# Altium PCB SmartPower.PcbDoc (part 1 of 2) (continued)
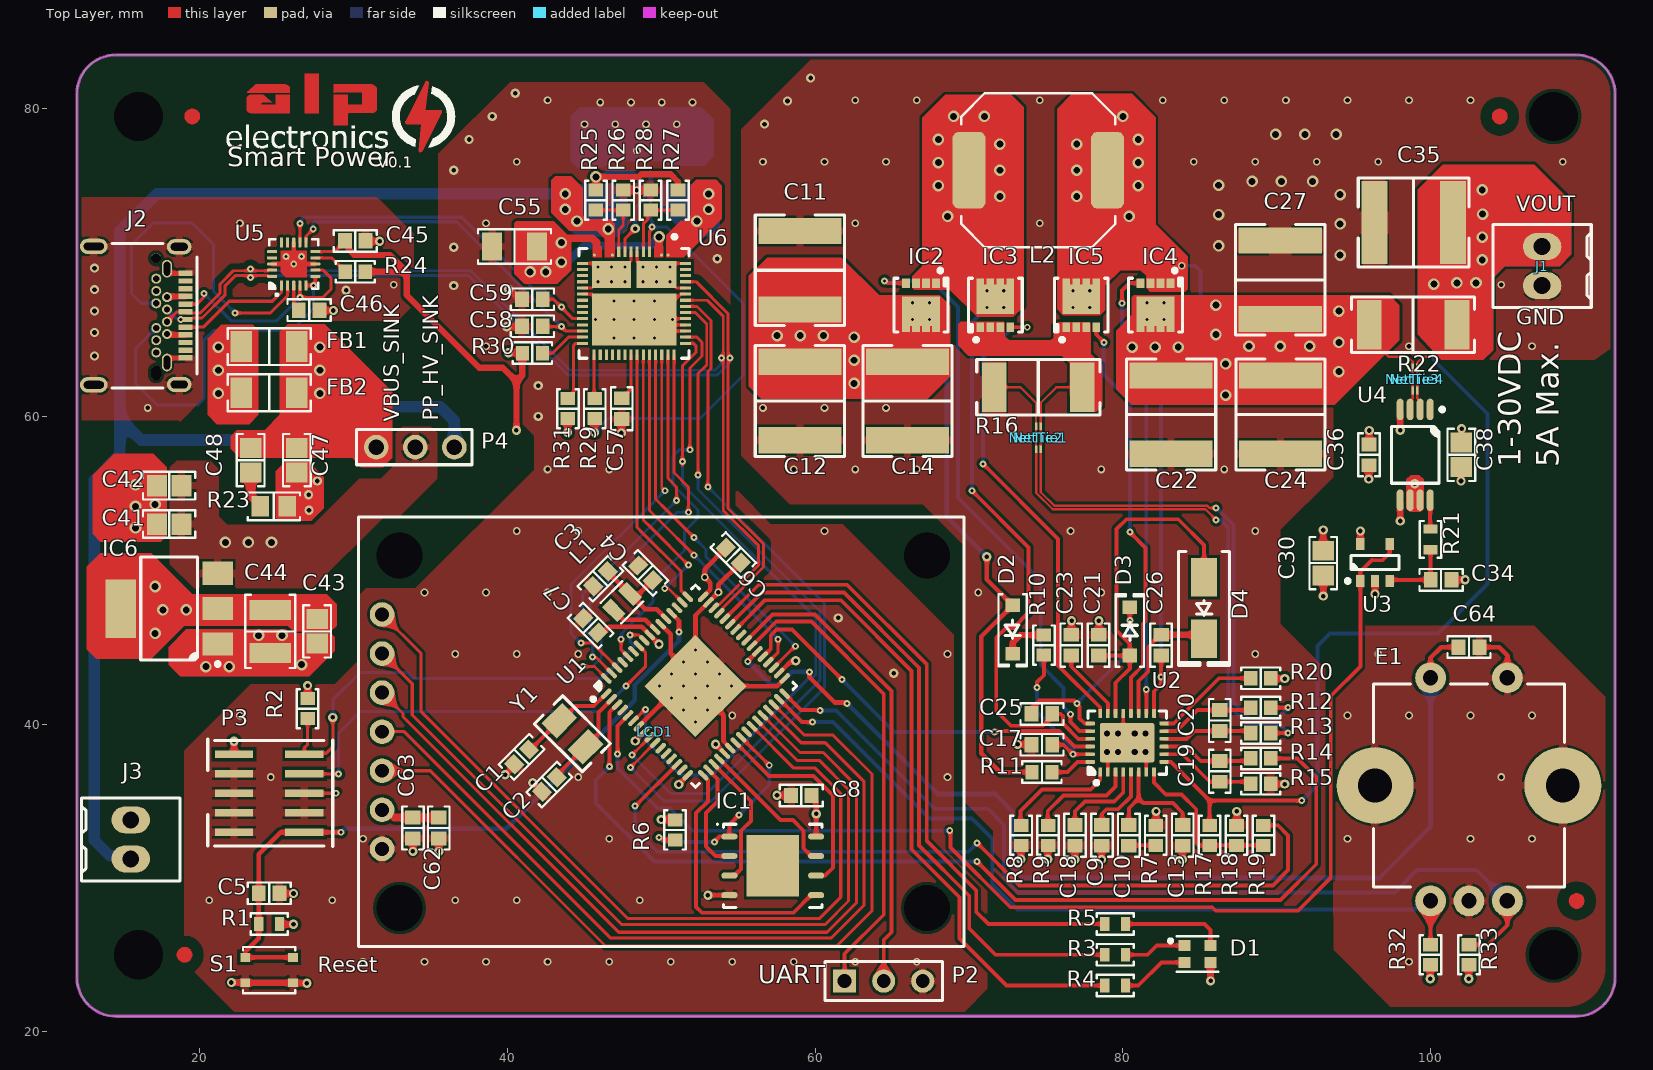
[diagram p0: Top Layer view]
## Part data (continued)
E1: "Alps 20mm, 24PPR+SW Encoder"
FB1 FB2: library part BLM31SN500SZ1L, "FERRITE BEAD 50 OHM 1206 1LN", Current Rating (Max)=12A, DC Resistance (DCR) (Max)=1.6mOhm, Device Package="1206 (3216 Metric)", Manufacturer="Murata Electronics", Operating Temperature="-55°C ~ 125°C", Ratings=AEC-Q200, Supplier Part Number 1=490-13270-1-ND, ComponentLink1Description=Datasheet, ComponentLink1URL=https://www.murata.com/en-us/products/productdata/8796751200286/QNFA9115.pdf, ComponentLink2Description="DigiKey Link", ComponentLink2URL=http://digikey.com/product-detail/en/murata-electronics/BLM31SN500SZ1L/490-13270-1-ND/5881270, Filter Type="Power Line", Height (Max)="0.051\" (1.30mm)", Impedance @ Frequency="50 Ohms @ 100MHz", LastUpdated="21/01/2020 02:29:52", Lifecycle Status=Active, Minimum Order=1, Mounting Type="Surface Mount", Number of Lines=1, Package / Case="1206 (3216 Metric)", Packaging=TapeAndReel, Part Number=BLM31SN500SZ1L, Part Status=Active, PartId=1661, Price=0.12, Series="EMIFIL®, BLM31", Size / Dimension="0.126\" L x 0.063\" W (3.20mm x 1.60mm)", Supplier 1=DigiKey
IC1: library part S25FL116K0XNFI011, "IC FLASH MEM 16MB SPI CMOS 8WSON", Device Package="8-WDFN Exposed Pad", Manufacturer=Spansion, Operating Temperature="-40C ~ 85C", Supplier Part Number 1=1274-1131-ND, Voltage - Supply="2.7 V ~ 3.6 V", ComponentLink1Description=Datasheet, ComponentLink1URL=http://www.spansion.com/Support/Datasheets/S25FL1-K_00.pdf, ComponentLink2Description="Digi-Key Listing", ComponentLink2URL=http://www.digikey.com/product-detail/en/S25FL116K0XNFI011/1274-1131-ND/4517162, Interface="SPI Serial", Memory Size="16M (2M x 8)", Memory Type="FLASH - NOR", Part Number=S25FL116K0XNFI011, PartId=8258, Price=0,49, Speed=108MHz, Supplier 1=Digi-Key, Type="FLASH - NOR"
IC2 IC3 IC4 IC5: library part CSD17308Q3T, "MOSFET N-CH 30V 50A", Current Continuous Drain="50A (Ta), 44A (Tc)", Device Package=8-PowerTDFN, Drain to Source Voltage (Vdss)=30V, Input Capacitance (Ciss) at Vds="700pF @ 15V", Manufacturer="Texas Instruments", Power - Max=2.7W, Supplier Part Number 1=296-44075-2-ND, ComponentLink1Description=Datasheet, ComponentLink1URL=http://www.ti.com/lit/ds/symlink/csd17308q3.pdf, ComponentLink2Description="Digi-Key Listing", ComponentLink2URL=https://www.digikey.com/product-detail/en/texas-instruments/CSD17308Q3T/296-44075-2-ND/5985436, Features=Standard, Gate Charge (Qg)="5.1nC @ 4.5V", Part Number=CSD17308Q3T, PartId=18050, Price=0.8314, Rds On (Max) at Id, Vgs="10.3 mOhm @ 10A, 8V", Supplier 1=Digi-Key, Type="MOSFET N-Channel, Metal Oxide", Vgs(th) (Max) at Id="1.8V @ 250uA"
IC6: library part NCP1117ST33T3G, "IC REG LDO 3.3V 1A SOT223", Current - Limit (Min)=1A, Device Package="TO-261-4, TO-261AA", Manufacturer="ON Semiconductor", Operating Temperature="0C ~ 125C", Supplier Part Number 1=NCP1117ST33T3GOSTR-ND, Voltage - Input="Up to 20V", Voltage - Output=3.3V, Voltage Dropout="1.07V @ 800mA", ComponentLink1Description=Datasheet, ComponentLink1URL=http://www.onsemi.com/pub_link/Collateral/NCP1117-D.PDF, ComponentLink2Description="Digi-Key Listing", ComponentLink2URL=http://www.digikey.ca/product-detail/en/NCP1117ST33T3G/NCP1117ST33T3GOSTR-ND/1749063, Part Number=NCP1117ST33T3G, PartId=7932, Price=0.2342, Supplier 1=Digi-Key, Topology="Positive Fixed"
J1 J3: "TERM BLK 2P SIDE ENT 2.54MM PCB", Color=Green, Current=10A, Manufacturer="TE Connectivity AMP Connectors", Supplier Part Number 1=A98333-ND, Voltage=150V, ComponentLink1Description=Datasheet, ComponentLink1URL=https://www.te.com/commerce/DocumentDelivery/DDEController?Action=srchrtrv&DocNm=282834&DocType=Customer+Drawing&DocLang=English, ComponentLink2Description="DigiKey Link", ComponentLink2URL=http://digikey.com/product-detail/en/te-connectivity-amp-connectors/282834-2/A98333-ND/1150135, LastUpdated="15/01/2020 04:15:38", Lifecycle Status=Active, Mating Orientation="Horizontal with Board", Minimum Order=1, Mounting Type="Through Hole", Number of Levels=1, Packaging=Bulk, Part Number=282834-2, Part Status=Active, Pitch="0.100\" (2.54mm)", Positions Per Level=2, Price=0.88, Series=Buchanan, Supplier 1=DigiKey, Wire Gauge="16-30 AWG", Wire Termination="Screw - Rising Cage Clamp"
J2: "USB 3.1 TYPE C MID MOUNT HYBRID", Manufacturer="Jing Extension", ComponentLink1Description=Datasheet, ComponentLink1URL=https://datasheet.lcsc.com/szlcsc/1811131841_Jing-Extension-of-the-Electronic-Co-C168698_C168698.pdf,, ComponentLink2Description=Alternative, ComponentLink2URL=https://gct.co/connector/usb4055, Number of Positions=24, Part Number=C168698, PartId=9702, Series="USB 3.1, Superspeed+", Supplier 1=LCSC, Supplier Part Number 1=C168698, Type="USB - C"
L1: "Magnetic-Core Inductor", LatestRevisionDate=17-Jul-2002, LatestRevisionNote="Re-released for DXP Platform.", PackageDescription="Axial Device, Thru-Hole; 2 Leads; 0.9 in Pin Spacing", PackageReference=AXIAL-0.9, Published=24-Mar-1999, Publisher="Altium Limited"
L2: library part "Inductor Iron", "Magnetic-Core Inductor", DCR=13.5mOhm, LatestRevisionDate=17-Jul-2002, LatestRevisionNote="Re-released for DXP Platform.", PackageDescription="Axial Device, Thru-Hole; 2 Leads; 0.9 in Pin Spacing", PackageReference=AXIAL-0.9, Published=24-Mar-1999, Publisher="Altium Limited"
LCD1: "LCD TFT IPS 1.3\" 240x240", Part Number="ST7789-240x240 Module", PartId=7912
P2 P4: "Header, 3-Pin", LatestRevisionDate=17-Jul-2002, LatestRevisionNote="Re-released for DXP Platform.", Publisher="Altium Limited"
P3: library part "Header 5X2", "Header, 5-Pin, Dual row", LatestRevisionDate=17-Jul-2002, LatestRevisionNote="Re-released for DXP Platform.", Publisher="Altium Limited"
R1: library part ERJ-3GEYJ103V, "RES SMD 10K OHM 5% 1/10W 0603", Device Package="0603 (1608 Metric)", Manufacturer="Panasonic Electronic Components", PowerRating="0.1W, 1/10W", Supplier Part Number 1=P10KGTR-ND, TemperatureCoefficient=200ppm/C, TemperatureRange="-55C ~ 155C", Tolerance=5%, ComponentLink1Description=Datasheet, ComponentLink1URL=http://industrial.panasonic.com/www-cgi/jvcr13pz.cgi?E+PZ+3+AOA0001+ERJ3GEYJ103V+7+WW, ComponentLink2Description="Digi-Key Listing", ComponentLink2URL=https://www.digikey.com/product-detail/en/panasonic-electronic-components/ERJ-3GEYJ103V/P10KGTR-ND/135662, Part Number=ERJ-3GEYJ103V, PartId=11175, Price=0.002, Supplier 1=Digi-Key
R2 R6 R20 R24 R27 R32 R33: library part CRCW060310K0JNEA, "RES SMD 10K OHM 5% 1/10W 0603", Device Package="0603 (1608 Metric)", Manufacturer="Vishay Dale", Operating Temperature="-55°C ~ 155°C", Power (Watts)="0.1W, 1/10W", Ratings=AEC-Q200, Supplier Device Package=0603, Supplier Part Number 1=541-10KGCT-ND, Temperature Coefficient=±200ppm/°C, Tolerance=±5%, ComponentLink1Description=Datasheet, ComponentLink1URL=http://www.vishay.com/docs/20035/dcrcwe3.pdf, ComponentLink2Description="DigiKey Link", ComponentLink2URL=http://digikey.com/product-detail/en/vishay-dale/CRCW060310K0JNEA/541-10KGCT-ND/1179393, Composition="Thick Film", Features="Automotive AEC-Q200", Height - Seated (Max)="0.020\" (0.50mm)", LastUpdated="21/01/2020 00:24:50", Lifecycle Status=Active, Minimum Order=1, Number of Terminations=2, Package / Case="0603 (1608 Metric)", Packaging=CutTape, Part Number=CRCW060310K0JNEA, Part Status=Active, PartId=5216, Price=0.10, Resistance="10 kOhms", Series=CRCW, Size / Dimension="0.063\" L x 0.033\" W (1.60mm x 0.85mm)", Supplier 1=DigiKey
R3: library part ERJ-3GEYJ361V, "RES SMD 360 OHM 5% 1/10W 0603", Device Package="0603 (1608 Metric)", Manufacturer="Panasonic Electronic Components", PowerRating="0.1W, 1/10W", Supplier Part Number 1=P360GTR-ND, TemperatureCoefficient=200ppm/C, TemperatureRange="-55C ~ 155C", Tolerance=5%, ComponentLink1Description=Datasheet, ComponentLink1URL=http://industrial.panasonic.com/www-cgi/jvcr13pz.cgi?E+PZ+3+AOA0001+ERJ3GEYJ361V+7+WW, ComponentLink2Description="Digi-Key Listing", ComponentLink2URL=https://www.digikey.com/product-detail/en/panasonic-electronic-components/ERJ-3GEYJ361V/P360GTR-ND/135761, Part Number=ERJ-3GEYJ361V, PartId=11239, Price=0.002, Supplier 1=Digi-Key
R4 R5: library part ERJ-3GEYJ151V, "RES SMD 150 OHM 5% 1/10W 0603", Device Package="0603 (1608 Metric)", Manufacturer="Panasonic Electronic Components", PowerRating="0.1W, 1/10W", Supplier Part Number 1=P150GTR-ND, TemperatureCoefficient=200ppm/C, TemperatureRange="-55C ~ 155C", Tolerance=5%, ComponentLink1Description=Datasheet, ComponentLink1URL=http://industrial.panasonic.com/www-cgi/jvcr13pz.cgi?E+PZ+3+AOA0001+ERJ3GEYJ151V+7+WW, ComponentLink2Description="Digi-Key Listing", ComponentLink2URL=https://www.digikey.com/product-detail/en/panasonic-electronic-components/ERJ-3GEYJ151V/P150GTR-ND/135689, Part Number=ERJ-3GEYJ151V, PartId=11200, Price=0.002, Supplier 1=Digi-Key
R7: library part ERJ-PB3D1302V, "RES SMD 13K OHM 0.5% 1/5W 0603", Device Package="0603 (1608 Metric)", Manufacturer="Panasonic Electronic Components", Operating Temperature="-55°C ~ 155°C", Power (Watts)="0.2W, 1/5W", Ratings=AEC-Q200, Supplier Device Package=0603, Supplier Part Number 1=P20409CT-ND, Temperature Coefficient=±50ppm/°C, Tolerance=±0.5%, ComponentLink1Description=Datasheet, ComponentLink1URL=https://industrial.panasonic.com/cdbs/www-data/pdf/RDM0000/AOA0000C328.pdf, ComponentLink2Description="DigiKey Link", ComponentLink2URL=http://digikey.com/product-detail/en/panasonic-electronic-components/ERJ-PB3D1302V/P20409CT-ND/6214664, Composition="Thick Film", Features="Automotive AEC-Q200, Pulse Withstanding", Height - Seated (Max)="0.022\" (0.55mm)", LastUpdated="21/01/2020 00:18:56", Lifecycle Status=Active, Minimum Order=1, Number of Terminations=2, Package / Case="0603 (1608 Metric)", Packaging=TapeAndReel, Part Number=ERJ-PB3D1302V, Part Status=Active, PartId=19636, Price=0.02, Resistance="13 kOhms", Series=ERJ, Size / Dimension="0.063\" L x 0.031\" W (1.60mm x 0.80mm)", Supplier 1=DigiKey
R8: library part ERJ-PB3D9312V, "RES SMD 93.1K OHM 0.5% 1/5W 0603", Device Package="0603 (1608 Metric)", Manufacturer="Panasonic Electronic Components", Operating Temperature="-55°C ~ 155°C", Power (Watts)="0.2W, 1/5W", Ratings=AEC-Q200, Supplier Device Package=0603, Supplier Part Number 1=P20508CT-ND, Temperature Coefficient=±50ppm/°C, Tolerance=±0.5%, ComponentLink1Description=Datasheet, ComponentLink1URL=https://industrial.panasonic.com/cdbs/www-data/pdf/RDM0000/AOA0000C328.pdf, ComponentLink2Description="DigiKey Link", ComponentLink2URL=http://digikey.com/product-detail/en/panasonic-electronic-components/ERJ-PB3D9312V/P20508CT-ND/6214763, Composition="Thick Film", Features="Automotive AEC-Q200, Pulse Withstanding", Height - Seated (Max)="0.022\" (0.55mm)", LastUpdated="21/01/2020 00:24:15", Lifecycle Status=Active, Minimum Order=1, Number of Terminations=2, Package / Case="0603 (1608 Metric)", Packaging=TapeAndReel, Part Number=ERJ-PB3D9312V, Part Status=Active, PartId=6686, Price=0.02, Resistance="93.1 kOhms", Series=ERJ, Size / Dimension="0.063\" L x 0.031\" W (1.60mm x 0.80mm)", Supplier 1=DigiKey
R9: library part RNCF0603DTE23K2, "RES 23.2K OHM 0.5% 1/10W 0603", Device Package="0603 (1608 Metric)", Manufacturer="Stackpole Electronics Inc", Operating Temperature="-55°C ~ 155°C", Power (Watts)="0.1W, 1/10W", Ratings=AEC-Q200, Supplier Device Package=0603, Supplier Part Number 1=RNCF0603DTE23K2CT-ND, Temperature Coefficient=±25ppm/°C, Tolerance=±0.5%, ComponentLink1Description=Datasheet, ComponentLink1URL=https://www.seielect.com/catalog/sei-rncf.pdf, ComponentLink2Description="DigiKey Link", ComponentLink2URL=http://digikey.com/product-detail/en/stackpole-electronics-inc/RNCF0603DTE23K2/RNCF0603DTE23K2CT-ND/9915119, Composition="Thin Film", Features="Automotive AEC-Q200", Height - Seated (Max)="0.022\" (0.55mm)", LastUpdated="21/01/2020 00:24:44", Lifecycle Status=Active, Minimum Order=1, Number of Terminations=2, Package / Case="0603 (1608 Metric)", Packaging=TapeAndReel, Part Number=RNCF0603DTE23K2, Part Status=Active, PartId=5426, Price=0.02, Resistance="23.2 kOhms", Series=RNCF, Size / Dimension="0.061\" L x 0.031\" W (1.55mm x 0.80mm)", Supplier 1=DigiKey
R10: library part RT0603BRD0710RL, "RES SMD 10 OHM 0.1% 1/10W 0603", Device Package="0603 (1608 Metric)", Manufacturer=Yageo, Operating Temperature="-55°C ~ 155°C", Power (Watts)="0.1W, 1/10W", Supplier Device Package=0603, Supplier Part Number 1=YAG3350CT-ND, Temperature Coefficient=±25ppm/°C, Tolerance=±0.1%, ComponentLink1Description=Datasheet, ComponentLink1URL=https://www.yageo.com/upload/media/product/productsearch/datasheet/rchip/PYu-RT_1-to-0.01_RoHS_L_11.pdf, ComponentLink2Description="DigiKey Link", ComponentLink2URL=http://digikey.com/product-detail/en/yageo/RT0603BRD0710RL/YAG3350CT-ND/5418055, Composition="Thin Film", Height - Seated (Max)="0.022\" (0.55mm)", LastUpdated="21/01/2020 00:22:54", Lifecycle Status=Active, Minimum Order=1, Number of Terminations=2, Package / Case="0603 (1608 Metric)", Packaging=TapeAndReel, Part Number=RT0603BRD0710RL, Part Status=Active, PartId=10161, Price=0.05, Resistance="10 Ohms", Series=RT, Size / Dimension="0.063\" L x 0.031\" W (1.60mm x 0.80mm)", Supplier 1=DigiKey
R11: library part CR0603-JW-202ELF, "RES SMD 2K OHM 5% 1/10W 0603", Device Package="0603 (1608 Metric)", Manufacturer="Bourns Inc.", Operating Temperature="-55°C ~ 155°C", Power (Watts)="0.1W, 1/10W", Supplier Device Package=0603, Supplier Part Number 1=CR0603-JW-202ELFCT-ND, Temperature Coefficient=±200ppm/°C, Tolerance=±5%, ComponentLink1Description=Datasheet, ComponentLink1URL=https://www.bourns.com/docs/Product-Datasheets/CHPREZTR.pdf, ComponentLink2Description="DigiKey Link", ComponentLink2URL=http://digikey.com/product-detail/en/bourns-inc/CR0603-JW-202ELF/CR0603-JW-202ELFCT-ND/3925347, Composition="Thick Film", Features="Moisture Resistant", Height - Seated (Max)="0.022\" (0.55mm)", LastUpdated="21/01/2020 00:24:32", Lifecycle Status=Active, Minimum Order=1, Number of Terminations=2, Package / Case="0603 (1608 Metric)", Packaging=CutTape, Part Number=CR0603-JW-202ELF, Part Status=Active, PartId=5980, Price=0.10, Resistance="2 kOhms", Series=CR0603, Size / Dimension="0.063\" L x 0.031\" W (1.60mm x 0.80mm)", Supplier 1=DigiKey
R12 R13 R14 R15: library part RNCS0603BKE100R, "RES 100 OHM 0.1% 1/16W 0603", Device Package="0603 (1608 Metric)", Manufacturer="Stackpole Electronics Inc", Operating Temperature="-55°C ~ 155°C", Power (Watts)="0.063W, 1/16W", Ratings=AEC-Q200, Supplier Device Package=0603, Supplier Part Number 1=RNCS0603BKE100RCT-ND, Temperature Coefficient=±25ppm/°C, Tolerance=±0.1%, ComponentLink1Description=Datasheet, ComponentLink1URL=https://www.seielect.com/catalog/sei-rncs_rnch.pdf, ComponentLink2Description="DigiKey Link", ComponentLink2URL=http://digikey.com/product-detail/en/stackpole-electronics-inc/RNCS0603BKE100R/RNCS0603BKE100RCT-ND/1800117, Composition="Thin Film", Features="Anti-Corrosive, Automotive AEC-Q200, Moisture Resistant", Height - Seated (Max)="0.022\" (0.55mm)", LastUpdated="21/01/2020 00:25:01", Lifecycle Status=Active, Minimum Order=1, Number of Terminations=2, Package / Case="0603 (1608 Metric)", Packaging=TapeAndReel, Part Number=RNCS0603BKE100R, Part Status=Active, PartId=4839, Price=0.08, Resistance="100 Ohms", Series=RNCS, Size / Dimension="0.061\" L x 0.031\" W (1.55mm x 0.80mm)", Supplier 1=DigiKey
R16 R22: library part CSR2512FK10L0, "RES SMD 0.01 OHM 1% 2W 2512", Device Package="2512 (6432 Metric)", Manufacturer="Stackpole Electronics Inc.", PowerRating=2W, Supplier Part Number 1=CSR2512FK10L0-ND, TemperatureCoefficient=200ppm/C, TemperatureRange="-55C ~ 155C", Tolerance=1%, ComponentLink1Description=Datasheet, ComponentLink1URL=http://www.seielect.com/catalog/SEI-CSR_CSRN.pdf, ComponentLink2Description="Digi-Key Listing", ComponentLink2URL=https://www.digikey.com/product-detail/en/stackpole-electronics-inc/CSR2512FK10L0/CSR2512FK10L0-ND/1742503, Part Number=CSR2512FK10L0, PartId=10090, Price=0.22, Supplier 1=Digi-Key
R17: library part RG1608N-164-W-T1, "RES SMD 160KOHM 0.05% 1/10W 0603", Device Package="0603 (1608 Metric)", Manufacturer=Susumu, Operating Temperature="-55°C ~ 155°C", Power (Watts)="0.1W, 1/10W", Ratings=AEC-Q200, Supplier Device Package=0603, Supplier Part Number 1=408-1681-1-ND, Temperature Coefficient=±10ppm/°C, Tolerance=±0.05%, ComponentLink1Description=Datasheet, ComponentLink1URL=//media.digikey.com/pdf/Data%20Sheets/Susumu%20PDFs/RG_RM_RGH_Oct2012.pdf, ComponentLink2Description="DigiKey Link", ComponentLink2URL=http://digikey.com/product-detail/en/susumu/RG1608N-164-W-T1/408-1681-1-ND/600838, Composition="Thin Film", Features="Anti-Sulfur, Automotive AEC-Q200", Height - Seated (Max)="0.020\" (0.50mm)", LastUpdated="21/01/2020 00:21:03", Lifecycle Status=Active, Minimum Order=1, Number of Terminations=2, Package / Case="0603 (1608 Metric)", Packaging=TapeAndReel, Part Number=RG1608N-164-W-T1, Part Status=Active, PartId=14646, Price=0.30, Resistance="160 kOhms", Series=RG, Size / Dimension="0.063\" L x 0.031\" W (1.60mm x 0.80mm)", Supplier 1=DigiKey
R18: library part ERJ-PB3B4221V, "RES SMD 4.22K OHM 0.1% 1/5W 0603", Device Package="0603 (1608 Metric)", Manufacturer="Panasonic Electronic Components", Operating Temperature="-55°C ~ 155°C", Power (Watts)="0.2W, 1/5W", Ratings=AEC-Q200, Supplier Device Package=0603, Supplier Part Number 1=P20042CT-ND, Temperature Coefficient=±50ppm/°C, Tolerance=±0.1%, ComponentLink1Description=Datasheet, ComponentLink1URL=https://industrial.panasonic.com/cdbs/www-data/pdf/RDM0000/AOA0000C328.pdf, ComponentLink2Description="DigiKey Link", ComponentLink2URL=http://digikey.com/product-detail/en/panasonic-electronic-components/ERJ-PB3B4221V/P20042CT-ND/6214297, Composition="Thick Film", Features="Automotive AEC-Q200, Pulse Withstanding", Height - Seated (Max)="0.022\" (0.55mm)", LastUpdated="21/01/2020 00:23:17", Lifecycle Status=Active, Minimum Order=1, Number of Terminations=2, Package / Case="0603 (1608 Metric)", Packaging=TapeAndReel, Part Number=ERJ-PB3B4221V, Part Status=Active, PartId=9111, Price=0.03, Resistance="4.22 kOhms", Series=ERJ, Size / Dimension="0.063\" L x 0.031\" W (1.60mm x 0.80mm)", Supplier 1=DigiKey
R19: library part ERA-3AEB1652V, "RES SMD 16.5KOHM 0.1% 1/10W 0603", Device Package="0603 (1608 Metric)", Manufacturer="Panasonic Electronic Components", Operating Temperature="-55°C ~ 155°C", Power (Watts)="0.1W, 1/10W", Ratings=AEC-Q200, Supplier Device Package=0603, Supplier Part Number 1=P16.5KDBCT-ND, Temperature Coefficient=±25ppm/°C, Tolerance=±0.1%, ComponentLink1Description=Datasheet, ComponentLink1URL=https://industrial.panasonic.com/cdbs/www-data/pdf/RDM0000/AOA0000C307.pdf, ComponentLink2Description="DigiKey Link", ComponentLink2URL=http://digikey.com/product-detail/en/panasonic-electronic-components/ERA-3AEB1652V/P16.5KDBCT-ND/3075821, Composition="Thin Film", Features="Automotive AEC-Q200", Height - Seated (Max)="0.022\" (0.55mm)", LastUpdated="21/01/2020 00:15:50", Lifecycle Status=Active, Minimum Order=1, Number of Terminations=2, Package / Case="0603 (1608 Metric)", Packaging=TapeAndReel, Part Number=ERA-3AEB1652V, Part Status=Active, PartId=24776, Price=0.04, Resistance="16.5 kOhms", Series=ERA-3A, Size / Dimension="0.063\" L x 0.031\" W (1.60mm x 0.80mm)", Supplier 1=DigiKey
R21: library part ERJ-3EKF51R0V, "RES SMD 51 OHM 1% 1/10W 0603", Device Package="0603 (1608 Metric)", Manufacturer="Panasonic Electronic Components", PowerRating="0.1W, 1/10W", Supplier Part Number 1=P51.0HTR-ND, TemperatureCoefficient=100ppm/C, TemperatureRange="-55C ~ 155C", Tolerance=1%, ComponentLink1Description=Datasheet, ComponentLink1URL=http://industrial.panasonic.com/www-cgi/jvcr13pz.cgi?E+PZ+3+AOA0002+ERJ3EKF51R0V+7+WW, ComponentLink2Description="Digi-Key listing", ComponentLink2URL=http://digikey.com/product-detail/en/ERJ-3EKF51R0V/P51.0HTR-ND/1746433, Part Number=ERJ-3EKF51R0V, PartId=1355, Price=0,0038, Supplier 1=Digi-Key, Type="Thick Film"
R23: library part RC0805FR-073R48L, "RES SMD 3.48 OHM 1% 1/8W 0805", Device Package="0805 (2012 Metric)", Manufacturer=Yageo, Operating Temperature="-55°C ~ 155°C", Power (Watts)="0.125W, 1/8W", Supplier Device Package=0805, Supplier Part Number 1=311-3.48CRCT-ND, Temperature Coefficient=±200ppm/°C, Tolerance=±1%, ComponentLink1Description=Datasheet, ComponentLink1URL=https://www.yageo.com/upload/media/product/productsearch/datasheet/rchip/PYu-RC_Group_51_RoHS_L_10.pdf, ComponentLink2Description="DigiKey Link", ComponentLink2URL=http://digikey.com/product-detail/en/yageo/RC0805FR-073R48L/311-3.48CRCT-ND/730768, Composition="Thick Film", Features="Moisture Resistant", Height - Seated (Max)="0.024\" (0.60mm)", LastUpdated="21/01/2020 01:49:21", Lifecycle Status=Active, Minimum Order=1, Number of Terminations=2, Package / Case="0805 (2012 Metric)", Packaging=TapeAndReel, Part Number=RC0805FR-073R48L, Part Status=Active, PartId=29394, Price=0.01, Resistance="3.48 Ohms", Series=RC, Size / Dimension="0.079\" L x 0.049\" W (2.00mm x 1.25mm)", Supplier 1=DigiKey
R25: library part RC0603FR-07191KL, "RES SMD 191K OHM 1% 1/10W 0603", Device Package="0603 (1608 Metric)", Manufacturer=Yageo, Operating Temperature="-55°C ~ 155°C", Power (Watts)="0.1W, 1/10W", Supplier Device Package=0603, Supplier Part Number 1=311-191KHRCT-ND, Temperature Coefficient=±100ppm/°C, Tolerance=±1%, ComponentLink1Description=Datasheet, ComponentLink1URL=https://www.yageo.com/upload/media/product/productsearch/datasheet/rchip/PYu-RC_Group_51_RoHS_L_10.pdf, ComponentLink2Description="DigiKey Link", ComponentLink2URL=http://digikey.com/product-detail/en/yageo/RC0603FR-07191KL/311-191KHRCT-ND/729952, Composition="Thick Film", Features="Moisture Resistant", Height - Seated (Max)="0.022\" (0.55mm)", LastUpdated="21/01/2020 00:23:46", Lifecycle Status=Active, Minimum Order=1, Number of Terminations=2, Package / Case="0603 (1608 Metric)", Packaging=CutTape, Part Number=RC0603FR-07191KL, Part Status=Active, PartId=7764, Price=0.10, Resistance="191 kOhms", Series=RC, Size / Dimension="0.063\" L x 0.031\" W (1.60mm x 0.80mm)", Supplier 1=DigiKey
R26 R28: library part CRGH0603J100K, "RES SMD 100K OHM 5% 1/5W 0603", Device Package="0603 (1608 Metric)", Manufacturer="TE Connectivity Passive Product", Operating Temperature="-55°C ~ 155°C", Power (Watts)="0.2W, 1/5W", Supplier Device Package=0603, Supplier Part Number 1=A126393CT-ND, Temperature Coefficient=±100ppm/°C, Tolerance=±5%, ComponentLink1Description=Datasheet, ComponentLink1URL=https://www.te.com/commerce/DocumentDelivery/DDEController?Action=srchrtrv&DocNm=1773204-1&DocType=DS&DocLang=English, ComponentLink2Description="DigiKey Link", ComponentLink2URL=http://digikey.com/product-detail/en/te-connectivity-passive-product/CRGH0603J100K/A126393CT-ND/7603448, Composition="Thick Film", LastUpdated="21/01/2020 00:15:56", Lifecycle Status=Active, Minimum Order=1, Number of Terminations=2, Package / Case="0603 (1608 Metric)", Packaging=TapeAndReel, Part Number=CRGH0603J100K, Part Status=Active, PartId=24648, Price=0.01, Resistance="100 kOhms", Series="CRGH, Neohm", Size / Dimension="0.063\" L x 0.031\" W (1.60mm x 0.80mm)", Supplier 1=DigiKey
R29 R30 R31: library part RC0603FR-073K83L, "RES SMD 3.83K OHM 1% 1/10W 0603", Device Package="0603 (1608 Metric)", Manufacturer=Yageo, Operating Temperature="-55°C ~ 155°C", Power (Watts)="0.1W, 1/10W", Supplier Device Package=0603, Supplier Part Number 1=311-3.83KHRCT-ND, Temperature Coefficient=±100ppm/°C, Tolerance=±1%, ComponentLink1Description=Datasheet, ComponentLink1URL=https://www.yageo.com/upload/media/product/productsearch/datasheet/rchip/PYu-RC_Group_51_RoHS_L_10.pdf, ComponentLink2Description="DigiKey Link", ComponentLink2URL=http://digikey.com/product-detail/en/yageo/RC0603FR-073K83L/311-3.83KHRCT-ND/730082, Composition="Thick Film", Features="Moisture Resistant", Height - Seated (Max)="0.022\" (0.55mm)", LastUpdated="21/01/2020 00:21:56", Lifecycle Status=Active, Minimum Order=1, Number of Terminations=2, Package / Case="0603 (1608 Metric)", Packaging=CutTape, Part Number=RC0603FR-073K83L, Part Status=Active, PartId=12460, Price=0.10, Resistance="3.83 kOhms", Series=RC, Size / Dimension="0.063\" L x 0.031\" W (1.60mm x 0.80mm)", Supplier 1=DigiKey
S1: "SWITCH TACTILE SPST-NO 0.05A 16V", Manufacturer=ALPS, Supplier Part Number 1=688-SKSGACE010, ComponentLink1Description=Datasheet, ComponentLink1URL=https://www.mouser.se/datasheet/2/15/SKSG-1370727.pdf, ComponentLink2Description="Mouser Listing", ComponentLink2URL=https://www.mouser.se/ProductDetail/ALPS/SKSGACE010?qs=Ptl%2FSkKmb3BEFq%252BG855%2Fog==, Part Number=SKSGACE010, PartId=16471, Supplier 1=Mouser
U1: "IC MCU 32BIT 1MB FLASH 64VQFN", Device Package="64-VFQFN Exposed Pad", Manufacturer="Microchip Technology", Supplier Part Number 1=ATSAMD51J20A-MU-ND, ComponentLink1Description=Datasheet, ComponentLink1URL=http://ww1.microchip.com/downloads/en/DeviceDoc/60001507E.pdf, ComponentLink2Description="Digi-Key Listing", ComponentLink2URL=https://www.digikey.com/product-detail/en/microchip-technology/ATSAMD51J20A-MU/ATSAMD51J20A-MU-ND/7390352, Core Processor="ARM Cortex-M4", Part Number=ATSAMD51J20A-MU, PartId=10980, Supplier 1=Digi-Key
U2: "55-V Wide VIN synchronous 4-switch buck-boost controller"
U3: library part 9691, "RAIL-TO-RAIL OPAMP SOT-23-5", Part Number=TSV911ILT, ComponentLink1Description="Manufacturer Link", ComponentLink1URL=http://www.ti.com/, ComponentLink2Description=Datasheet, ComponentLink2URL=http://www-s.ti.com/sc/ds/lm224.pdf, DatasheetVersion=Jan-1989, LatestRevisionDate=04-Mar-2005, LatestRevisionNote="Stylized 3D Model Added.", PackageDescription="DIP; 14 Leads; Row Spacing 7.62 mm; Pitch 2.54 mm", PackageReference=J014, PackageVersion=Jun-1999, PartId=9691, Published=15-Apr-2002, Publisher="Altium Limited"
U4: library part 9694, "IC AMP CURRENT SENSE 8-TSSOP", Part Number=INA240A, PartId=9694
U6: library part CMP-04910-000002-1, "ACELITE 88 ROM 1.6 PROTO 7X7", Ambient Temperature Range High=+75°C, Ambient Temperature Range Low=-10°C, Manufacturer="Texas Instruments", Max Junction Temp=+125°C, Max Supply Voltage=3.45V, Min Supply Voltage=3.135V, Nominal Supply Current=5-8mA, Output Voltage=3.3V, Package=RSH0056E, Temperature="-10°C to +75°C", Automotive=No, Category=IC, ComponentLink2Description=Datasheet, ComponentLink2URL=http://www.ti.com/lit/ds/symlink/tps65987d.pdf, Device Class L1="Integrated Circuits (ICs)", Device Class L2="Power Management ICs", Device Class L3=unset, Digikey Description="ACELITE 88 ROM 1.6 PROTO 7X7", Height=1mm, Lead Free=Yes, Manufacturer Part Number=TPS65987DDHRSHR, Number Of Outputs=1, Octopart=https://octopart.com/tps65987ddhrshr-texas+instruments-92191376, RoHS=TRUE, Standoff Height=0mm, Temperature Range High=+75°C, Temperature Range Low=-10°C
Y1: library part ABS07-32.768KHZ-T, "CRYSTAL 32.7680KHZ 12.5PF SMD", Device Package=2-SMD, Frequency Stability=-, Frequency Tolerance=20ppm, Load Capacitance=12.5pF, Manufacturer="Abracon LLC", Operating Mode=Fundamental, Supplier Part Number 1=535-9542-2-ND, ComponentLink1Description=Datasheet, ComponentLink1URL=http://www.abracon.com/Resonators/ABS07.pdf, ComponentLink2Description="Digi-Key Listing", ComponentLink2URL=http://www.digikey.com/product-detail/en/ABS07-32.768KHZ-T/535-9542-2-ND/1236858, ESR="70 kOhm", Frequency=32.768kHz, Part Number=ABS07-32.768KHZ-T, PartId=8487, Price=0,3, Supplier 1=Digi-Key, Type="kHz Crystal (Tuning Fork)"

## Free pads (board coordinates)
  round 0 hole 3.2 unplated: TP3(16,25) TP3(16,79.5) TP3(108,25) TP3(108,79.5)

## Via types
v1: diameter 0.5, hole 0.3, Top Layer to Bottom Layer, tented both sides, 99 vias
v2: diameter 0.75, hole 0.45, Top Layer to Bottom Layer, tented both sides, 90 vias
v3: diameter 0.6, hole 0.3, Top Layer to Bottom Layer, tented both sides, 81 vias
v4: diameter 0.45, hole 0.2, Top Layer to Bottom Layer, tented both sides, 79 vias
v5: diameter 0.5, hole 0.2, Top Layer to Bottom Layer, tented both sides, 55 vias

## Nets (pads, with @x,y where several pads share a name; then routed paths per layer and width w, separated by ;. In a path a pad name is that pad's centre, name@x,y a point inside that pad or via, vN(x,y) a via of type N, cw(c..) or ccw(c..) an arc to the next point about the centre after c; other vN are vias at no path point)
5V_PB_SINK: U1.62 U6.40 | length 24.6
  Top Layer w0.19: v4(44.766,45.257) 45.534,45.257 U1.62@47.123,43.668 ; U6.40@50.024,64.001 50.024,55.366 v4(50.227,55.163)
  Bottom Layer w0.19: v4(44.766,45.257) 44.131,45.892 44.131,49.067 v4(50.227,55.163)
9V_PB_SINK: U1.63 U6.41 | length 24.4
  Top Layer w0.19: v4(45.528,44.368) 45.578,44.318 45.766,44.318 U1.63@46.769,43.315 ; U6.41@50.424,64.001 50.424,55.982 50.989,55.417 v4(50.989,54.528)
  Bottom Layer w0.19: v4(45.528,44.368) 45.528,45.613 44.868,46.273 44.868,48.407 45.528,49.067 v4(50.989,54.528)
15V_PB_SINK: U1.64 U6.42 | length 26.7
  Top Layer w0.19: v4(44.893,43.733) 45.644,43.733 U1.64@46.416,42.961 ; U6.42@50.824,64.001 50.824,56.344 51.751,55.417 v4(51.751,53.766)
  Bottom Layer w0.19: v4(44.893,43.733) 45.528,43.733 46.087,44.292 46.087,45.587 45.35,46.324 45.35,48.102 51.014,53.766 v4(51.751,53.766)
20V_PB_SINK: U1.6 U6.43 | length 44.1
  Top Layer w0.19: U1.6@48.183,40.203 48.919,40.939 v4(48.957,40.939) ; 51.37,56.814 v4(51.37,57.068) 51.37,63.291 52.259,64.18 52.259,64.561 52.069,64.751 U6.43@51.574,64.751
  Bottom Layer w0.19: v4(48.957,40.939) 48.957,38.932 51.192,36.697 53.3,36.697 59.585,42.981 59.794,42.981 60.034,43.221 60.034,46.906 51.37,55.569 v4(51.37,57.068)
+3V3: C6.1 C7.2 C8.1 C30.2 C31.2 C36.2 C38.2 C43.2 C44.2 C45.2 C62.1 C63.2 D1.3 IC1.8 IC6.2 IC6.4 LCD1.2 P3.1 R1.2 R2.2 R6.2 R20.1 R24.1 R29.1 R30.1 R31.1 R32.2 R33.2 U1.8 U1.16 U1.21 U1.34 U1.48 U1.56 U3.5 U4.5 U5.10 U6.5 | length 87.7
  Top Layer w0.2: U5.10@27.497,70.706 28.722,70.706 29.022,71.006 29.072,71.006 29.422,71.356 C45.2@29.422,71.406 ; U6.5@49.224,70.701 49.224,72.024 49.352,72.152 49.352,72.252 v4(49.4,72.3)
  Top Layer w0.3: C7.2@45.878,45.923 46.171,45.923 46.572,46.324 48.71,46.324 U1.56@49.244,45.789 v3(49.842,45.191) ; v3(48.292,38.898) U1.8@48.891,39.496 ; v3(51.121,36.069) U1.16@51.719,36.668 ; U1.48@52.709,48.264 53.173,48.729 53.173,49.194 v1(52.818,49.55) 52.818,50.072 C6.1@54.195,51.449 ; v3(53.525,38.68) U1.21@54.123,38.082 ; U1.34@57.659,43.315 58.458,44.114 v3(58.736,44.114) ; C8.1@59.767,35.351 60.06,35.058 v3(60.06,34.154) IC1.8@60.06,32.687
  Top Layer w0.4: P3.1@22.214,38.253 v3(22.214,38.887) ; R1.2@25.358,26.979 v3(26.08,26.979) ; R2.2@27,41.863 v3(27,42.497) ; C45.2@29.422,71.406 29.672,71.156 29.672,70.863 30.034,70.501 32.349,70.501 33.444,69.406 ; R24.1@30.669,69.125 R24.1@30.93,69.386 ; R24.1@30.747,69.406 33.444,69.406 ; v3(40.058,64.134) 40.78,64.134 40.956,63.958 40.956,62.656 40.575,62.275 ; v3(40.575,59.1) 40.575,62.275 ; v3(43.898,58.945) R31.1@43.898,59.667 ; v3(45.648,58.945) R29.1@45.648,59.667 ; v3(49.982,33.786) R6.2@50.705,33.786 ; v3(85.7,23.3) D1.3@85.7,24.5 ; R20.1@89.795,42.95 v3(90.517,42.95) ; C30.2@93.021,51.472 v3(93.021,52.614) ; U3.5@95.434,51.908 95.439,51.913 v3(95.439,52.547) ; v3(95.979,55.92) C36.2@95.979,56.642 ; v3(98.03,53.2) U4.5@98.03,54.342 ; v3(99.979,23.445) R32.2@99.979,24.167 ; C38.2@102.021,58.483 v3(102.021,59.205) ; v3(102.479,23.445) R33.2@102.479,24.167 ; 33.444,69.406 33.444,67.882 38.162,63.164 39.686,63.164 40.575,62.275
  Top Layer w0.5: LCD1.2@31.839,34.42 32.137,34.42 32.639,33.918 C63.2@33.844,33.918 C62.1@35.52,33.918
  Bottom Layer w0.2: v3(45.648,58.945) 45.648,58.966 46.544,59.862 52.513,59.862 55.307,62.656 55.307,67.355 50.362,72.3 v4(49.4,72.3) 49.4,72.7 49.298,72.802 C31.2@49.298,75.919
  other v2: 17.08,45.892 17.588,47.416 19.112,47.416 17.08,48.94
A2: U1.11
A3: U1.12
A4: U1.13
A5: U1.15
AREF: U1.4
BIAS: C23.2 U2.21 | length 4.8
  Top Layer w0.25: C23.2@76.643,44.455 76.643,43.733 79.026,41.35 U2.21@79.026,40.685
BUCK_BOOST-OUT: C22.2 C24.2 C27.2 IC4.5 IC4.6 IC4.7 IC4.8 NetTie3.2 R22.1 | length 4.7
  Top Layer w0.15: 97.307,63.869 98.518,63.869 98.843,63.545 NetTie3.2@98.843,63.177
  Top Layer w0.156: R22.1@96.018,65.958 96.018,65.158 97.307,63.869
  other v2: 86.676,61.386 94.042,62.91 86.676,63.418 80.6,64.5 82.1,64.5 83.6,64.5 88.2,64.561 90.232,64.561 92.137,64.561 94.042,64.815 86.041,65.323 94.042,66.847 86.041,67.228
  other v5: 81.57,66.288 82.67,66.288 81.57,67.388 82.67,67.388
C_CC1: J2.A5 U5.4 U5.7 | length 14.2
  Top Layer w0.2: J2.A5@19.05,67.3 19.819,67.3 20.255,67.736 v4(20.255,67.99) ; U5.4@26.497,68.506 26.497,67.75 v4(26.511,67.736) 28.002,67.736 28.51,68.244 28.51,69.006 28.01,69.506 U5.7@27.497,69.506
  Bottom Layer w0.2: v4(20.255,67.99) 22.033,66.212 24.987,66.212 v4(26.511,67.736)
C_CC2: J2.B5 U5.5 U5.6 | length 23.8
  Top Layer w0.2: U5.5@26.897,68.506 v4(27.375,68.506) 27.494,68.625 27.494,69.106 U5.6@27.497,69.106
  Bottom Layer w0.2: J2.B5@17.16,65.75 15.81,64.4 15.81,62.148 17.207,60.751 19.874,60.751 20.255,61.132 20.255,64.942 20.89,65.577 25.97,65.577 27.375,66.982 v4(27.375,68.506)
C_SBU1: J2.A8 U5.1 | length 7.6
  Top Layer w0.2: J2.A8@19.05,65.8 20.224,65.8 21.906,67.482 24.7,67.482 25.297,68.079 U5.1@25.297,68.506
C_SBU2: J2.B8 U5.2 | length 21.1
  Top Layer w0.2: v4(22.287,66.72) 24.573,66.72 25.697,67.844 U5.2@25.697,68.506
  Bottom Layer w0.2: J2.B8@17.16,67.35 17.155,67.355 16.191,67.355 15.556,67.99 15.556,71.165 16.953,72.562 19.493,72.562 20.89,71.165 20.89,68.117 v4(22.287,66.72)
CC1: C59.2 U5.12 U6.24 | length 24
  Top Layer w0.2: U5.12@26.497,71.306 v4(26.497,72.543) ; C59.2@42.288,67.613 42.984,67.613 v4(43.496,67.101) 44.246,66.351 U6.24@44.874,66.351
  Bottom Layer w0.2: v4(26.497,72.543) 26.545,72.591 26.545,72.756 26.732,72.943 37.019,72.943 41.718,68.244 42.353,68.244 v4(43.496,67.101)
CC2: C58.2 U5.11 U6.26 | length 23.2
  Top Layer w0.2: U5.11@26.897,71.306 26.897,71.711 v4(27.367,72.181) ; C58.2@42.288,65.863 42.32,65.831 v4(43.496,65.831) 43.776,65.551 U6.26@44.874,65.551
  Bottom Layer w0.2: v4(27.367,72.181) 27.323,72.225 27.323,72.518 27.459,72.654 36.673,72.654 v4(43.496,65.831)
CS_N: NetTie2.2 R13.1 | length 33.6
  Top Layer w0.15: NetTie2.2@74.357,57.854 74.357,57.682 74.36,57.679 74.36,55.037 75.438,53.959 85.365,53.959 v4(86.066,53.258)
  Top Layer w0.25: R13.1@89.612,39.415 v4(90.74,39.415)
  Bottom Layer w0.25: v4(86.066,53.258) 86.089,53.236 86.416,53.236 86.845,52.807 86.845,41.255 88.073,40.027 90.128,40.027 v4(90.74,39.415)
CS_P: NetTie1.2 R12.1 | length 33.1
  Top Layer w0.15: NetTie1.2@74.662,57.854 74.662,57.682 74.665,57.679 74.665,55.07 75.537,54.198 85.464,54.198 85.607,54.055 v4(86.066,54.055)
  Top Layer w0.25: R12.1@89.612,41.066 v4(90.74,41.066)
  Bottom Layer w0.25: v4(86.066,54.055) 86.077,54.055 87.184,52.948 87.184,41.395 88.213,40.365 90.039,40.365 v4(90.74,41.066)
CUR_DAC_OUT: R14.2 U1.3 | length 66.6
  Top Layer w0.25: v4@46.722,37.132 v4(46.62,37.234) 46.62,40.761 U1.3@47.123,41.264 ; v4(70.522,31.058) 73.011,28.569 90.257,28.569 92.569,30.881 92.569,36.545 91.35,37.764 R14.2@89.612,37.764
  Bottom Layer w0.25: v4(46.62,37.234) 45.731,36.345 45.731,34.868 49.541,31.058 v4(70.522,31.058)
DRAIN1_SINK: U6.8 U6.15 U6.19 U6.58 | length 6.6
  Top Layer w0.2: U6.19@44.874,68.351 45.474,68.351 46.349,69.226 U6.58@46.749,69.226 ; U6.15@44.874,69.951 U6.58@46.024,69.951 ; U6.58@46.074,69.901 U6.58@46.749,69.226 ; U6.8@48.024,70.701 48.024,70.101 v5(47.624,69.701) 47.149,69.226 U6.58@46.749,69.226
  other v5: 45.874,68.751 46.749,68.751 47.624,68.751 45.874,69.701 46.749,69.701
DRAIN2_SINK: U6.7 U6.52 U6.56 U6.57 | length 6.6
  Top Layer w0.2: U6.7@48.424,70.701 48.424,70.051 49.249,69.226 U6.57@49.674,69.226 ; U6.57@50.349,69.901 U6.57@49.674,69.226 ; U6.57@50.399,69.951 U6.56@51.574,69.951 ; U6.52@51.574,68.351 50.974,68.351 50.099,69.226 U6.57@49.674,69.226
  other v5: 48.799,68.751 49.674,68.751 50.549,68.751 48.799,69.701 49.674,69.701 50.549,69.701
ENC_A: E1.A R32.1 U1.31 | length 52.8
  Top Layer w0.25: U1.31@57.659,41.617 59.15,40.126 v4(59.828,40.126) ; R32.1@100,25.65 E1.A@100,28.5
  Bottom Layer w0.25: v4(59.828,40.126) 61.149,40.126 67.423,33.852 70.191,33.852 71.512,32.532 71.512,29.56 73.138,27.934 98.979,27.934 99.544,28.5 E1.A@100,28.5
ENC_B: E1.B R33.1 U1.32 | length 60.4
  Top Layer w0.25: U1.32@58.012,41.971 59.07,40.914 60.285,40.914 v4(60.323,40.876) ; R33.1@102.5,25.65 103.721,25.65 105,26.929 E1.B@105,28.5
  Bottom Layer w0.25: v4(60.323,40.876) 61.365,40.876 67.753,34.487 71.233,34.487 72.274,33.446 72.274,29.992 73.214,29.052 97.674,29.052 99.122,30.5 103,30.5 E1.B@105,28.5